# KiCad board PingDevKit-copy.kicad_pcb (continued)
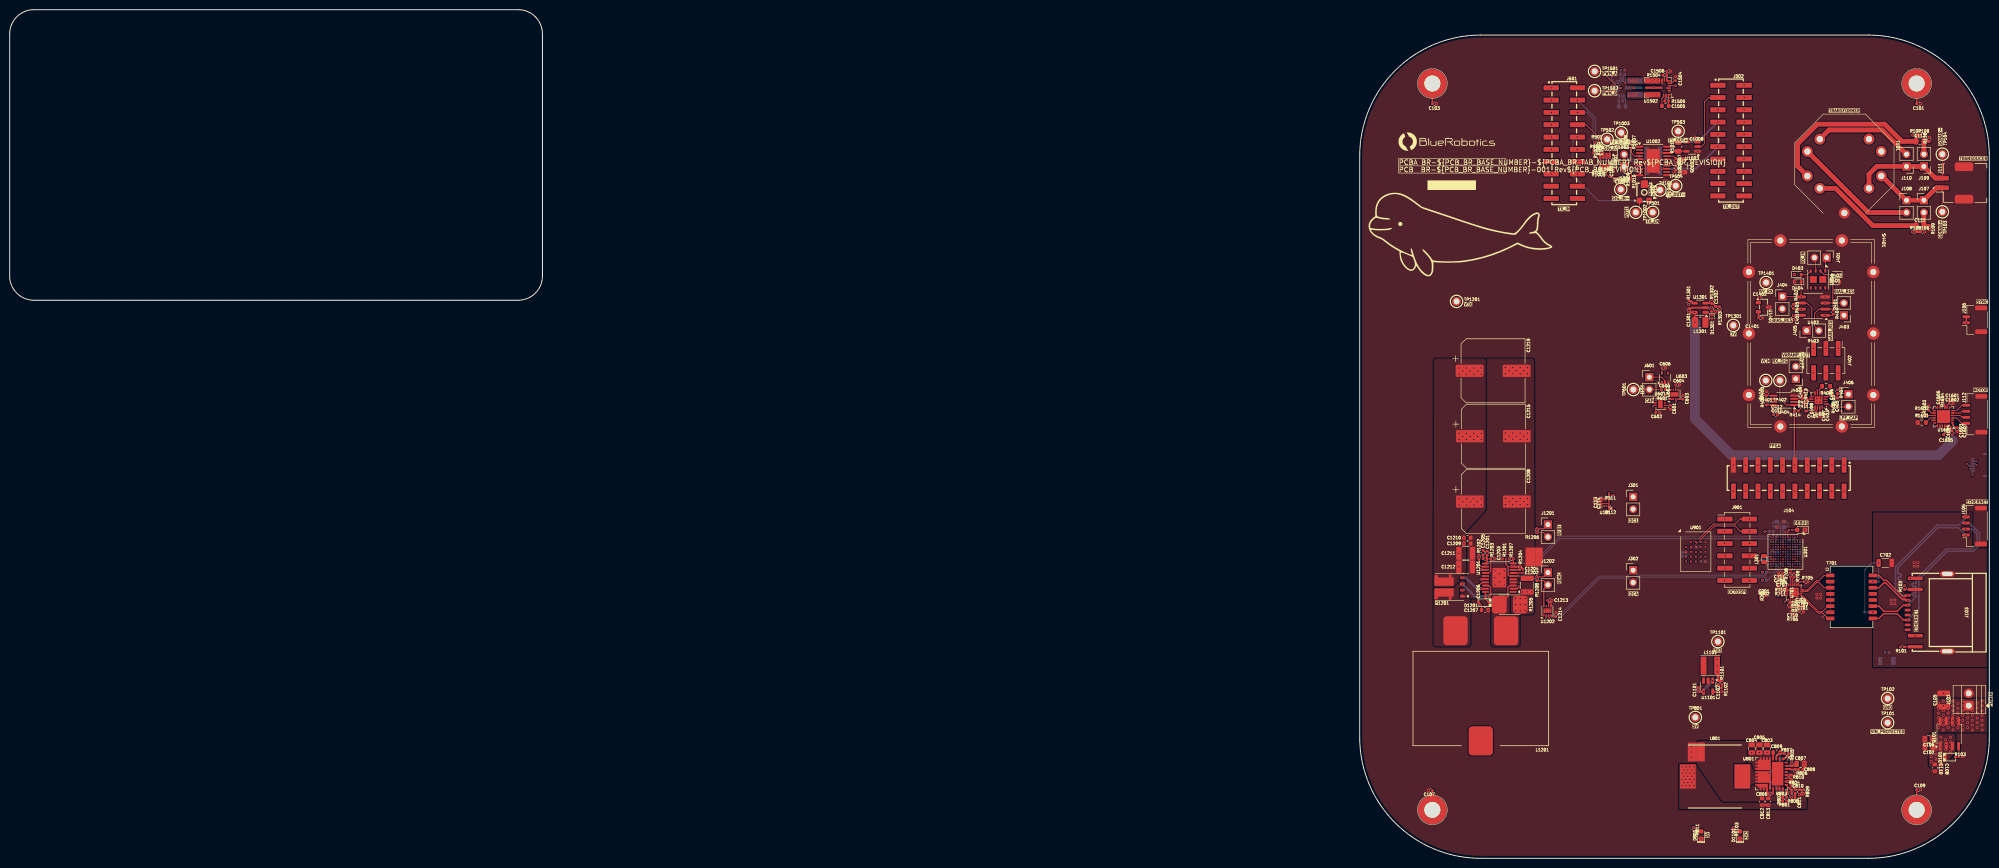
[diagram p0: board, top side]
## Library data of the parts (continued)
R1204 = -: Datasheet: https://www.yageo.com/upload/media/product/productsearch/datasheet/rchip/PYu-RC_Group_51_RoHS_L_12.pdf; Description: 75k 1% 100ppm 62.5mW Thick Film Resistor 0402; Manufacturer: YAGEO; Manufacturer Part Num: RC0402FR-0775KL; Supplier 1: DigiKey; Supplier Part Num 1: 311-75KLRCT-ND; Supplier 2: DigiKey; Supplier Part Num 2: 311-75KLRTR-ND; Supplier 3: JLCPCB; Supplier Part Num 3: C137935; BRE Number: BRE-000370; JLCPCB Part Num: C137935; ki_fp_filters: R_*
R1205 = -: Datasheet: https://www.yageo.com/upload/media/product/app/datasheet/rchip/pyu-pa_e_51_rohs.pdf; Description: 3mR 1% 50ppm 2W Resistor 2512; Manufacturer: YAGEO; Manufacturer Part Num: PA2512FKE7W0R003E; Supplier 1: DigiKey; Supplier Part Num 1: 13-PE0805FRE470R009ZCT-ND; Supplier 2: Mouser; Supplier Part Num 2: 603-P0805FRE470R009Z; Supplier 3: JLCPCB; Supplier Part Num 3: C6142798; BRE Number: BRE-001276; JLCPCB Part Num: C728307; ki_fp_filters: R_*
R1206 = -: Datasheet: https://www.yageo.com/upload/media/product/productsearch/datasheet/rchip/PYu-RC_Group_51_RoHS_L_12.pdf; Description: 137k 1% 100ppm 62.5mW Thick Film Resistor 0402; Manufacturer: YAGEO; Manufacturer Part Num: RC0402FR-07137KL; BRE Number: BRE-000302; Supplier 1: DigiKey; Supplier Part Num 1: YAG2972CT-ND; Supplier 2: DigiKey; Supplier Part Num 2: YAG2972TR-ND; Supplier 3: JLCPCB; Supplier Part Num 3: C138058; JLCPCB Part Num: C138058; ki_fp_filters: R_*
R1302 = -: Datasheet: https://lcsc.com/datasheet/lcsc_datasheet_2506161046_YAGEO-RC0402FR-0713K3L_C274352.pdf; Description: 13.3k 1% 100ppm 62.5mW Thick Film Resistor 0402; Manufacturer: YAGEO; Manufacturer Part Num: RC0402FR-0713K3L; BRE Number: BRE-001235; JLCPCB Part Num: C274352; ki_fp_filters: R_*
R1303 = -: Datasheet: https://www.yageo.com/upload/media/product/productsearch/datasheet/rchip/PYu-RC_Group_51_RoHS_L_12.pdf; Description: 62k 1% 100ppm 62.5mW Thick Film Resistor 0402; Manufacturer: YAGEO; Manufacturer Part Num: RC0402FR-0762KL; BRE Number: BRE-000361; Supplier 1: DigiKey; Supplier Part Num 1: 311-62.0KLRCT-ND; Supplier 2: DigiKey; Supplier Part Num 2: 311-62.0KLRTR-ND; Supplier 3: JLCPCB; Supplier Part Num 3: C137950; JLCPCB Part Num: C137950; ki_fp_filters: R_*
R1601 R1602 = -: Datasheet: https://www.koaspeer.com/pdfs/TLRZ.pdf; Description: 0 Ohms Jumper Chip Resistor 0603 (1608 Metric) Automotive AEC-Q200, Current Sense Metal Element; Manufacturer: KOA Speer Electronics, Inc.; Manufacturer Part Num: TLRZ1JTTD; BRE Number: BRE-001148; Package: 0603; Supplier 1: JLCPCB; Supplier Part Num 1: C782253; Supplier 2: DigiKey; Supplier Part Num 2: 2019-TLRZ1JTTDTR-ND; JLCPCB Part Num: C782253
R1603 = -: Datasheet: https://www.yageo.com/upload/media/product/products/datasheet/rchip/PYu-RC_Group_51_RoHS_L_12.pdf; Description: 330k 1% 100ppm 62.5mW Thick Film Resistor 0402; Manufacturer: YAGEO; Manufacturer Part Num: RC0402FR-07330KL; BRE Number: BRE-001286; Supplier 1: DigiKey; Supplier Part Num 1: 311-330KLRCT-ND; Supplier 2: Mouser; Supplier Part Num 2: 603-RC0402FR-07330KL; Supplier 3: JLCPCB; Supplier Part Num 3: C138006; JLCPCB Part Num: C138006; ki_fp_filters: R_*
SH401 = -: Datasheet: https://www.leadertechinc.com/assets/files/catalogs/cbs.pdf; Description: RF Shield Shield, 2-Piece 1.000" (25.40mm) X 1.500" (38.10mm) Non-Vented Through Hole; Manufacturer: Leader Tech Inc.; BRE Number: BRE-001302
T101 = -: Datasheet: https://www.tdk-electronics.tdk.com/inf/80/db/fer/p_18_11.pdf; Description: Pot Core Transformer Mounting Assembly 18mmx11mm; Manufacturer: EPCOS - TDK Electronics; Manufacturer Part Num: B65655B0010X000; BRE Number: BRE-001219; Supplier 1: DigiKey; Supplier Part Num 1: 495-5153-ND; Supplier 2: Mouser; Supplier Part Num 2: 871-B65655B0010X000; Supplier 3: JLCPCB
T701 = -: Datasheet: https://www.lcsc.com/datasheet/lcsc_datasheet_2411121026_HANRUN-Zhongshan-HanRun-Elec-HR641680E_C189555.pdf; Description: 10/100Base-T Single Port Transformer Magnetics Module; Supplier 3: JLCPCB; Supplier Part Num 3: C189555; Manufacturer: HanRun; BRE Number: BRE-000237
TH101 = -: Datasheet: https://www.murata.com/~/media/webrenewal/support/library/catalog/products/thermistor/r01e.ashx; Description: 10k 1% 3380k NTC Thermistor 0201; Manufacturer: Murata Electronics; Manufacturer Part Num: NCP03XH103F05RL; Supplier 1: Digikey; Supplier Part Num 1: 490-11806-2-ND; Supplier 2: Mouser; Supplier Part Num 2: 81-NCP03XH103F05RL; Supplier 3: JLCPCB; Supplier Part Num 3: C98098; BRE Number: BRE-000391; ki_fp_filters: *NTC* *Thermistor* PIN?ARRAY* bornier* *Terminal?Block* R_*
TP101-TP104 TP401 TP402 TP601 TP801 TP1003 TP1004 TP1101 TP1201 TP1301 TP1401 TP1501 TP1502 = -: Datasheet: https://wmsc.lcsc.com/wmsc/upload/file/pdf/v2/lcsc/2307040929_ronghe-RH-5000_C5277086.pdf; Description: Ring Test Point for Probe(s) PTH; Manufacturer: ronghe; Manufacturer Part Num: RH-5000; BRE Number: BRE-000074; Supplier 1: DigiKey; Supplier 2: Mouser; Supplier 3: JLCPCB; Supplier Part Num 3: C5277086; Label: LABEL; JLCPCB Part Num: C5277086; ki_fp_filters: *NTC* *Thermistor* PIN?ARRAY* bornier* *Terminal?Block* R_*
TP301-TP327 TP329-TP365 = -: Description: test pad surface mount; ki_fp_filters: *NTC* *Thermistor* PIN?ARRAY* bornier* *Terminal?Block* R_*
TP328 = -: Description: test pad surface mount; MPN: DNI; ki_fp_filters: *NTC* *Thermistor* PIN?ARRAY* bornier* *Terminal?Block* R_*
TP501-TP504 TP1001 TP1002 = -: Datasheet: https://wmsc.lcsc.com/wmsc/upload/file/pdf/v2/lcsc/2307040929_ronghe-RH-5000_C5277086.pdf; Description: Ring Test Point for Probe(s) PTH; Manufacturer: ronghe; Manufacturer Part Num: RH-5000; Supplier 1: DigiKey; Supplier 2: Mouser; BRE Number: BRE-000074; Supplier 3: JLCPCB; Supplier Part Num 3: C5277086; Label: LABEL; JLCPCB Part Num: C5277086; ki_fp_filters: *NTC* *Thermistor* PIN?ARRAY* bornier* *Terminal?Block* R_*
U101 = -: Datasheet: https://www.st.com/content/ccc/resource/technical/document/datasheet/12/c0/5c/36/b9/58/46/f2/DM00091513.pdf/files/DM00091513.pdf/jcr:content/translations/en.DM00091513.pdf; Description: Accelerometer X, Y, Z Axis ±2g, 4g, 8g, 16g 0.5Hz ~ 672Hz 12-LGA (2x2); Manufacturer: STMicroelectronics; Supplier 1: DigiKey; Supplier Part Num 1: 497-14851-1-ND; Supplier 2: Mouser; Supplier Part Num 2: 511-LIS2DH12TR; Supplier 3: JLCPCB; Supplier Part Num 3: C110926; BRE Number: BRE-000388
U301 = -: Datasheet: https://www.st.com/resource/en/datasheet/stm32h563ai.pdf; Description: ARM® Cortex®-M33 STM32H5 Microcontroller IC 32-Bit 250MHz 2MB (2M x 8) FLASH 169-UFBGA (7x7) WITH STEPDOWN SMPS, high temp: -40~125C; Manufacturer: STMicroelectronics; BRE Number: BRE-001075; JLCPCB Part Num: C28992049; ki_fp_filters: *UFBGA*7x7mm*Layout13x13*P0.5mm*
U401 = -: Datasheet: https://ww1.microchip.com/downloads/en/DeviceDoc/MD0100-Single-and-Dual-Channel%20High-Voltage-Protection-TR-Switch-Data-Sheet-20005738A.pdf; Description: Dual Channel High-Voltage Protection T/R Switch; Manufacturer: Microchip; BRE Number: BRE-001224; ki_fp_filters: SOIC*3.9x4.9mm*P1.27mm*
U402 = -: Datasheet: https://www.ti.com/general/docs/suppproductinfo.tsp?distId=10&gotoUrl=https%3A%2F%2Fwww.ti.com%2Flit%2Fgpn%2Fopa1611; Description: Dual Channel Low-noise SOIC-8 Audio Amplifier; Manufacturer: Texas Instruments; BRE Number: BRE-001220; JLCPCB Part Num: C94590
U403 = -: Datasheet: https://www.analog.com/media/en/technical-documentation/data-sheets/ad8338.pdf; Description: 18 MHz Variable Gain Amplifier; Manufacturer: Analog Devices; BRE Number: BRE-001210; JLCPCB Part Num: C578701
U404 = -: Datasheet: https://jlcpcb.com/api/file/downloadByFileSystemAccessId/8588917789042626560; Description: Dual Operational Amplifier MSOP-8 Low Vos ROHS; Manufacturer: WILLSEMI(Will Semicon); BRE Number: BRE-001218; JLCPCB Part Num: C717866
U601 U602 U1202 = -: Datasheet: https://www.ti.com/lit/ds/symlink/dac53401.pdf?HQS=dis-dk-null-digikeymode-dsf-pf-null-wwe&ts=1751654153747&ref_url=https%253A%252F%252Fmatomo.sctykj.boats%252F; Description: 10 Bit Digital to Analog Converter, I2C Interface, 8-WSON (2x2); Manufacturer: Texas Instruments; BRE Number: BRE-001241; LCSC Part: C1855756; JLCPCB Part Num: C1855756
U603 = -: Datasheet: https://assets.nexperia.com/documents/data-sheet/74LVC1G66.pdf; Description: Analog Switch IC, 1 Circuit IC Switch 1:1, 10Ohm, 5-TSSOP; Manufacturer: Nexperia USA Inc.; BRE Number: BRE-001264; LCSC Part: C548020
U701 = -: Datasheet: https://www.ti.com/general/docs/suppproductinfo.tsp?distId=10&gotoUrl=https%3A%2F%2Fwww.ti.com%2Flit%2Fgpn%2Fdp83825I; Description: Ethernet Interface 10/100Mbps PHY 32-VQFN (5x5); Manufacturer: Texas Instruments; BRE Number: BRE-000162; Supplier 1: DigiKey; Supplier Part Num 1: 296-DP83825IRMQRCT-ND; Supplier 2: Mouser; Supplier Part Num 2: 595-DP83825IRMQR; Supplier 3: JLCPCB; Supplier Part Num 3: C783599; ki_fp_filters: WSON*1EP*2x2mm*P0.5mm*
U801 = -: Datasheet: https://ww1.microchip.com/downloads/aemDocuments/documents/APID/ProductDocuments/DataSheets/MIC28517-Data-Sheet-DS20006317C.pdf; Description: Buck Switching Regulator, Adjustable, 8A, 600mV~32V, 4.5V~70V, VQFN-32(6x6); Manufacturer: Microchip Technology; BRE Number: BRE-001217; Supplier 1: DigiKey; Supplier Part Num 1: 150-MIC28517T-E/PHACT-ND; Supplier 2: Mouser; Supplier Part Num 2: 579-MIC28517T-E/PHA; Supplier 3: JLCPCB; Supplier Part Num 3: C623943; JLCPCB Part Num: C623943
U901 = -: Datasheet: https://www.infineon.com/assets/row/public/documents/10/49/infineon-s27kl0642-s27ks0642-3.0-v-1.8-v-64-mb-8-mb-hyperram-self-refresh-dram-datasheet-en.pdf?fileId=8ac78c8c7d0d8da4017d0ee8a1c47164; Description: PSRAM (Pseudo SRAM) Memory IC 64Mbit HyperBus 166 MHz 36 ns 24-FBGA (6x8); Manufacturer: Infineon Technologies; BRE Number: BRE-001273; LCSC Part: C5157921; JLCPCB Part Num: C5157921
U1001 = -: Datasheet: https://lcsc.com/datasheet/lcsc_datasheet_2402170845_Slkor-SLKORMICRO-Elec--SL9062D_C18208632.pdf; Description: Dual General Purpose Amplifier RRIO 25MHz 1.5-5.5V SOT-23-8L; Manufacturer: Slkor; BRE Number: BRE-001253; JLCPCB Part Num: C18208632
U1002 = -: Datasheet: https://www.analog.com/media/en/technical-documentation/data-sheets/1794fs.pdf; Description: 2 Channel Line Driver 40V 500mA 500V/us 200MHz Class AB Output TSSOP-20; Manufacturer: Analog Devices; Manufacturer Part Num: LT1794CFE#PBF; BRE Number: BRE-001244; JLCPCB Part Num: C665306
U1003 = -: Datasheet: https://www.lcsc.com/datasheet/lcsc_datasheet_2403271159_analogysemi-CSA230PASOT235_C6807602.pdf; Description: 0V-76V Single channel SOT-23-5 Current Sense Amplifier; BRE Number: BRE-001043; LCSC Part: C6807602; JLCPCB Part Num: C6807602
U1101 = -: Datasheet: https://www.ti.com/general/docs/suppproductinfo.tsp?distId=10&gotoUrl=https%3A%2F%2Fwww.ti.com%2Flit%2Fgpn%2Ftlv62569; Description: Buck Converter, 2.5 - 5.5V Input, 2A, 0.6 - 5.5V Output, 1.5MHz, SOT23-5 (2.9x2.8); Manufacturer: Texas Instruments; Supplier 1: DigiKey; Supplier Part Num 1: 296-47360-1-ND; Supplier 2: Mouser; Supplier Part Num 2: 595-TLV62569DBVR; Supplier 3: JLCPCB; Supplier Part Num 3: C141836; BRE Number: BRE-000206
U1201 = -: Datasheet: https://www.ti.com/lit/ds/symlink/lm5122.pdf?ts=1718038011900&ref_url=https%253A%252F%252Fwww.ti.com%252Fproduct%252FLM5122%253Futm_source%253Dgoogle%2526utm_medium%253Dcpc%2526utm_campaign%253Dapp-null-null-gpn_en-cpc-pf-google-wwe%2526utm_content%253Dlm5122%2526ds_k%253DLM5122%2526dcm%253Dyes%2526gad_source%253D1%2526gclid%253DCjwKCAjwyJqzBhBaEiwAWDRJVOtndkS0MouiylCoqg9MIo-BblLh-eis6aTW-nLVFYVf71dm99ruNhoCbmQQAvD_BwE%2526gclsrc%253Daw.ds; Description: Boost Controller, 3 - 65V Input, 1Mhz, HTSSOP-20 (6.9x6.4); Manufacturer: Texas Instruments; Supplier 1: DigiKey; Supplier Part Num 1: 296-43644-1-ND; Supplier 2: Mouser; Supplier Part Num 2: 595-LM5122MHX/NOPB; Supplier 3: JLCPCB; Supplier Part Num 3: C77241; BRE Number: BRE-000192
U1301 = -: Datasheet: https://www.ti.com/general/docs/suppproductinfo.tsp?distId=10&gotoUrl=https%3A%2F%2Fwww.ti.com%2Flit%2Fgpn%2Flm27313; Description: Boost Converter, 2.7 - 14V Input, 800mA, 2.7 - 30V Output, 1.6Mhz, SOT23-5 (2.9x1.6); Manufacturer: Texas Instruments; BRE Number: BRE-000190; Supplier 1: DigiKey; Supplier Part Num 1: 296-35164-1-ND; Supplier 2: Mouser; Supplier Part Num 2: 926-LM27313XMFX/NOPB; Supplier 3: JLCPCB; Supplier Part Num 3: C341750; JLCPCB Part Num: C341750
U1401 = -: Datasheet: https://lcsc.com/datasheet/lcsc_datasheet_2501211108_Megain-MG78L05T3_C22396244.pdf; Description: Linear Regulator, 7 - 30V Input, 170mA, 5V Output, SOT23-3; Manufacturer: Megain; BRE Number: BRE-001237; JLCPCB Part Num: C22396244
U1501 U1502 = -: Datasheet: https://epc-co.com/epc/Portals/0/epc/documents/datasheets/EPC23104_datasheet.pdf; Description: Half Bridge Driver DC Motors, DC-DC Converters Gallium Nitride (GaN) FETs 13-WQFN-HR (3.5x5); Manufacturer: EPC; BRE Number: BRE-001274; LCSC Part: C5448592; JLCPCB Part Num: C5448592
U1601 = -: Datasheet: https://www.ti.com/lit/ds/symlink/drv8426.pdf?HQS=dis-dk-null-digikeymode-dsf-pf-null-wwe&ts=1755707861730; Description: Bipolar Motor Driver Power MOSFET Step/Direction 24-VQFN (4x4); Manufacturer: Texas Instruments; BRE Number: BRE-001284; Supplier 1: Digikey; Supplier Part Num 1: 296-DRV8426RGERCT-ND; Supplier 2: Mouser; Supplier Part Num 2: 595-DRV8426RGER; Supplier 3: JLCPCB; Supplier Part Num 3: C1518727; JLCPCB Part Num: C1518727
X301 = -: Datasheet: https://wmsc.lcsc.com/wmsc/upload/file/pdf/v2/lcsc/2010091907_NDK-NX2016SA-25MHZ-STD-CZS-2_C843258.pdf; Description: 25 MHz Crystal 8pF ±25ppm 4-SMD2016 (2x1.6); Supplier 3: JLCPCB; Manufacturer Part Num: NX2016SA-25MHZ-STD-CZS-2; Supplier Part Num 3: C843258; Manufacturer: NDK; Supplier 1: Digikey; Supplier 2: Mouser; BRE Number: BRE-000257; ki_fp_filters: Crystal*

## Footprints (pads in the part's own frame, mm; a bottom-side part is the same pattern mirrored in y, then rotated)
44-CBSA-1.0X1.5X0.4
  round 2.54 hole 1.27: 1(0,-6.502) 1(0,-19.202) 1(6.502,0) 1(6.502,-25.705) 1(19.202,0) 1(19.202,-25.705) 1(31.902,0) 1(31.902,-25.705) 1(38.405,-6.502) 1(38.405,-19.202)
B65655B0010X000
  round 2.25 hole 1.3: 1(5.08,-5.08) 2(2.54,-7.62) 3(-2.54,-7.62) 4(-5.08,-5.08) 5(-5.08,5.08) 6(-2.54,7.62) 7(2.54,7.62) 8(5.08,5.08) 9(10.16,0)
BGA-24_6x8mm_Layout5x5_P1.0mm
  round 0.4 smd: A2(-1,2) A3(0,2) A4(1,2) A5(2,2) B1(-2,1) B2(-1,1) B3(0,1) B4(1,1) B5(2,1) C1(-2,0) C2(-1,0) C3(0,0) C4(1,0) C5(2,0) D1(-2,-1) D2(-1,-1) D3(0,-1) D4(1,-1) D5(2,-1) E1(-2,-2) E2(-1,-2) E3(0,-2) E4(1,-2) E5(2,-2)
C_0201_0603Metric-minimized
  rrect 0.385x0.3 smd: 1(-0.282,0) 2(0.282,0)
C_0402_1005Metric
  rrect 0.56x0.62 smd: 1(-0.48,0) 2(0.48,0)
C_0402_1005Metric-minimized
  rrect 0.55x0.55 smd: 1(-0.4,0) 2(0.4,0)
C_0603_1608Metric-minimized
  rrect 0.75x0.9 smd: 1(-0.7,0) 2(0.7,0)
C_0805_2012Metric-minimized
  rrect 0.95x1.35 smd: 1(-0.8,0) 2(0.8,0)
C_1206_3216Metric-minimized
  rrect 0.9x1.7 smd: 1(-1.35,0) 2(1.35,0)
C_1210_3225Metric
  rrect 1.1x2.7 smd: 1(-1.4,0) 2(1.4,0)
C_1210_3225Metric-minimized
  rrect 0.9x2.7 smd: 1(-1.35,0) 2(1.35,0)
C_Elec_12.5x12.5
  rrect 5.7x2.5 smd: 1(-4.85,0) 2(4.85,0)
Crystal_SMD_2016-4Pin_2.0x1.6mm
  rect 0.9x0.8 smd: 1(-0.7,-0.55) 2(0.7,-0.55) 3(0.7,0.55) 4(-0.7,0.55)
D_SOD-323
  rrect 0.6x0.45 smd: 1(-1.05,0) 2(1.05,0)
D_SOD-523
  rrect 0.6x0.7 smd: 1(-0.7,0) 2(0.7,0)
D_SOD-993-minimized
  rrect 0.35x0.6 smd: 1(-0.325,0) 2(0.325,0)
DFN-8-1EP_4x4mm_P1.0mm_EP1.45x3.4mm
  rect 1.3x1.3 smd: (0,1) (0,-1)
  rect 0.7x0.4 smd: 1(-1.75,1.5) 2(-1.75,0.5) 3(-1.75,-0.5) 4(-1.75,-1.5) 5(1.75,-1.5) 6(1.75,-0.5) 7(1.75,0.5) 8(1.75,1.5)
  rect 1.45x1.45 smd: 9(0,0.975) 10(0,-0.975)
EPC23104
  rrect 0.75x0.3 smd: 1(-2.325,0.578) 2(-2.325,0.078) 3(-2.325,-0.422) 4(-2.325,-0.922)
  rrect 1.025x0.3 smd: 5(-2.188,-1.422)
  rrect 0.3x0.675 smd: 5(-1.825,-1.609) 13(-2.175,1.615)
  rrect 0.3x0.75 smd: 6(-1.325,-1.572) 7(-0.825,-1.572) 11(-1.175,1.578) 12(-1.675,1.578)
  rrect 3.2x1.05 smd: 8(1.1,-1.428) 10(1.1,1.428)
  rrect 3.675x0.48 smd: 9(0.863,0)
  rrect 0.675x0.3 smd: 13(-2.362,1.428)
FC-SE2918-100M-28A
  rrect 5x6 smd: 1(-5.23,-14) 2(5.215,-14) 3(0,8.75)
H1102FNL
  rect 0.76x1.7 smd: 1(-4.445,-4.4) 2(-3.175,-4.4) 3(-1.905,-4.4) 4(-0.635,-4.4) 5(0.635,-4.4) 6(1.905,-4.4) 7(3.175,-4.4) 8(4.445,-4.4) 9(4.445,4.4) 10(3.175,4.4) 11(1.905,4.4) 12(0.635,4.4) 13(-0.635,4.4) 14(-1.905,4.4) 15(-3.175,4.4) 16(-4.445,4.4)
HDR-SMD_20P-P2.54-V-M-R2-C10-S7.5
  rect 1.02x3.17 smd: 1(-11.43,-2.71) 2(-11.43,2.71) 3(-8.89,-2.71) 4(-8.89,2.71) 5(-6.35,-2.71) 6(-6.35,2.71) 7(-3.81,-2.71) 8(-3.81,2.71) 9(-1.27,-2.71) 10(-1.27,2.71) 11(1.27,-2.71) 12(1.27,2.71) 13(3.81,-2.71) 14(3.81,2.71) 15(6.35,-2.71) 16(6.35,2.71) 17(8.89,-2.71) 18(8.89,2.71) 19(11.43,-2.71) 20(11.43,2.71)
HTSSOP-20-1EP_4.4x6.5mm_P0.65mm_EP2.85x4mm
  rrect 2.3x1.61 smd: (0,1) (0,-1)
  rrect 1.475x0.4 smd: 1(-2.862,2.925) 2(-2.862,2.275) 3(-2.862,1.625) 4(-2.862,0.975) 5(-2.862,0.325) 6(-2.862,-0.325) 7(-2.862,-0.975) 8(-2.862,-1.625) 9(-2.862,-2.275) 10(-2.862,-2.925) 11(2.862,-2.925) 12(2.862,-2.275) 13(2.862,-1.625) 14(2.862,-0.975) 15(2.862,-0.325) 16(2.862,0.325) 17(2.862,0.975) 18(2.862,1.625) 19(2.862,2.275) 20(2.862,2.925)
  rect 2.85x4 smd: 21(0,0)
KF128-2.54-2P
  rrect 2x2 hole 1.2: 1(0,0)
  round 2 hole 1.2: 2(2.54,0)
L_1008_2520Metric
  rrect 1.25x2.2 smd: 1(-1.075,0) 2(1.075,0)
L_Taiyo-Yuden_NR-4018
  rect 1.2x3.7 smd: 1(-1.4,0) 2(1.4,0)
LED_0603_1608Metric
  rrect 0.875x0.95 smd: 1(-0.787,0) 2(0.787,0)
LFCSP-16-1EP_3x3mm_P0.5mm_EP1.6x1.6mm
  rrect 0.64x0.64 smd: (-0.4,0.4) (-0.4,-0.4) (0.4,0.4) (0.4,-0.4)
  rrect 0.875x0.25 smd: 1(-1.438,0.75) 2(-1.438,0.25) 3(-1.438,-0.25) 4(-1.438,-0.75) 9(1.438,-0.75) 10(1.438,-0.25) 11(1.438,0.25) 12(1.438,0.75)
  rrect 0.25x0.875 smd: 5(-0.75,-1.438) 6(-0.25,-1.438) 7(0.25,-1.438) 8(0.75,-1.438) 13(0.75,1.438) 14(0.25,1.438) 15(-0.25,1.438) 16(-0.75,1.438)
  rect 1.6x1.6 smd: 17(0,0)
LGA-12_2x2mm_P1mm
  rect 0.375x0.35 smd: 1(-0.762,0.75) 2(-0.762,0.25) 3(-0.762,-0.25) 4(-0.762,-0.75) 7(0.762,-0.75) 8(0.762,-0.25) 9(0.762,0.25) 10(0.762,0.75)
  rect 0.35x0.375 smd: 5(-0.25,-0.762) 6(0.25,-0.762) 11(0.25,0.762) 12(-0.25,0.762)
LMSC20120652R2MTA
  rrect 0.8x1.2 smd: 1(-0.65,0) 2(0.65,0)
M3_Clearance_Plated_6mm
  round 6 hole 3.3: 1(0,0)
MSOP-8_3x3mm_P0.65mm
  rrect 1.625x0.4 smd: 1(-2.112,0.975) 2(-2.112,0.325) 3(-2.112,-0.325) 4(-2.112,-0.975) 5(2.112,-0.975) 6(2.112,-0.325) 7(2.112,0.325) 8(2.112,0.975)
NetTie-2_SMD_Pad_0.18mm_wide
  rect 0.1x0.18 smd: 1(-0.1,0) 2(0.1,0)
NetTie-2_SMD_Pad_0.18mm_wide_long
  rect 0.1x0.18 smd: 1(-0.15,0) 2(0.15,0)
NetTie-2_SMD_Pad_3.88mm_wide
  rect 3.88x1.524 smd: 1(0,0) 2(0,-2)
PinHeader_1x02_P2.54mm_Vertical
  rect 1.7x1.7 hole 1: 1(0,0)
  round 1.7 hole 1: 2(0,-2.54)
PinHeader_2x03_P2.54mm_Vertical_SMD
  rect 3.15x1 smd: 1(-2.525,2.54) 2(2.525,2.54) 3(-2.525,0) 4(2.525,0) 5(-2.525,-2.54) 6(2.525,-2.54)
PinHeader_2x06_P2.54mm_Vertical_SMD
  rect 3.15x1 smd: 1(-2.525,6.35) 2(2.525,6.35) 3(-2.525,3.81) 4(2.525,3.81) 5(-2.525,1.27) 6(2.525,1.27) 7(-2.525,-1.27) 8(2.525,-1.27) 9(-2.525,-3.81) 10(2.525,-3.81) 11(-2.525,-6.35) 12(2.525,-6.35)
PowerPAK_SO-8_Dual
  rect 1x0.5 smd: 1(-2.67,1.905) 2(-2.67,0.635) 3(-2.67,-0.635) 4(-2.67,-1.905)
  rect 0.6x0.7 smd: 5(-0.15,2.27) 6(-0.15,-2.27)
  rect 3.99x1.73 smd: 5(1.125,1.115) 6(1.125,-1.115)
  rect 0.75x0.6 smd: 5(2.745,2.215) 6(2.745,-2.21)
QFN-32_x6mm_P0.65mm
  rrect 0.75x0.95 smd: (-2.265,-0.905) (-2.265,-2.085) (-1.285,-0.905) (-1.285,-2.085)
  rrect 0.95x0.95 smd: (-1.77,1.845) (-1.77,0.665) (-0.59,1.845) (-0.59,0.665) (0.105,-0.905) (0.105,-2.085) (0.59,1.845) (0.59,0.665) (1.285,-0.905) (1.285,-2.085) (1.77,1.845) (1.77,0.665)
  rrect 0.5x0.75 smd: (2.47,-1.33) (2.47,-2.31)
  rrect 0.75x0.35 smd: 1(-3.05,2.275) 2(-3.05,1.625) 3(-3.05,0.975) 4(-3.05,0.325) 5(-3.05,-0.325) 6(-3.05,-0.975) 7(-3.05,-1.625) 8(-3.05,-2.275) 17(3.05,-2.275) 18(3.05,-1.625) 19(3.05,-0.975) 20(3.05,-0.325) 21(3.05,0.325) 22(3.05,0.975) 23(3.05,1.625) 24(3.05,2.275)
  rect 2.13x2.69 smd: 5(-1.775,-1.495)
  rrect 0.35x0.75 smd: 9(-2.275,-3.05) 10(-1.625,-3.05) 11(-0.975,-3.05) 12(-0.325,-3.05) 13(0.325,-3.05) 14(0.975,-3.05) 15(1.625,-3.05) 16(2.275,-3.05) 25(2.275,3.05) 26(1.625,3.05) 27(0.975,3.05) 28(0.325,3.05) 29(-0.325,3.05) 30(-0.975,3.05) 31(-1.625,3.05) 32(-2.275,3.05)
  rect 2.39x2.69 smd: 12(0.695,-1.495)
  rect 0.74x2.04 smd: 16(2.47,-1.82)
  rect 4.85x2.36 smd: 33(0,1.24)
R_0201_0603Metric-minimized
  rrect 0.385x0.3 smd: 1(-0.282,0) 2(0.282,0)
R_0402_1005Metric-minimized
  rrect 0.55x0.55 smd: 1(-0.4,0) 2(0.4,0)
R_0603_1608Metric
  rrect 0.8x0.95 smd: 1(-0.825,0) 2(0.825,0)
R_0805_2012Metric
  rrect 1.025x1.4 smd: 1(-0.912,0) 2(0.912,0)
R_2512_6332Metric
  rrect 3.05x3.68 smd: 1(-2.16,0) 2(2.16,0)
RES-ADJ-SMD_3P-L3.8-W3.7_VGF39NCHXT
  rect 1.2x1.2 smd: 1(1.68,-1) 3(1.68,1)
  rect 1.6x1.5 smd: 2(-1.68,0.01)
RJ45-TH_RC01812
  rect 0.55x1.2 smd: 1(-3.57,-4.1) 2(-2.55,-4.1) 3(-1.53,-4.1) 4(-0.51,-4.1) 5(0.51,-4.1) 6(1.53,-4.1) 7(2.55,-4.1) 8(3.57,-4.1)
  rect 0.7x3.05 smd: 9(-7.06,-2.525) 10(-4.77,-2.525) 11(4.77,-2.525) 12(7.06,-2.525)
  oval 1.2x3 hole 0.8x2.2: MP1(-8,4.1) MP2(8,4.1)
SM02B-GHS-TB
  rrect 0.6x1.6 smd: 1(-0.625,2.25) 2(0.625,2.25)
  rrect 0.95x2.5 smd: MP(-2.45,-0.825) MP(2.45,-0.825)
SM02B-PASS-TBT
  rrect 1x2.7 smd: 1(-1,4.7) 2(1,4.7)
  rrect 1.8x3.8 smd: MP1(-3.35,0.25) MP2(3.35,0.25)
SM04B-GHS-TB
  rrect 0.6x1.6 smd: 1(-1.875,2.25) 2(-0.625,2.25) 3(0.625,2.25) 4(1.875,2.25)
  rrect 0.95x2.45 smd: MP(-3.7,-0.85) MP(3.7,-0.85)
SO-8_3.9x4.9mm_P1.27mm
  rrect 1.75x0.6 smd: 1(-2.575,1.905) 1(-2.575,0.635) 1(-2.575,-0.635) 2(-2.575,-1.905) 3(2.575,1.905) 3(2.575,0.635) 3(2.575,-0.635) 3(2.575,-1.905)
SOIC-8_3.9x4.9mm_P1.27mm
  rrect 1.95x0.6 smd: 1(-2.475,1.905) 2(-2.475,0.635) 3(-2.475,-0.635) 4(-2.475,-1.905) 5(2.475,-1.905) 6(2.475,-0.635) 7(2.475,0.635) 8(2.475,1.905)
SOT-23
  rrect 0.7x1.1 smd: 1(-0.95,-1.1) 2(0.95,-1.1) 3(0,1.1)
SOT-23-5
  rrect 1.325x0.6 smd: 1(-1.137,0.95) 2(-1.137,0) 3(-1.137,-0.95) 4(1.137,-0.95) 5(1.137,0.95)
SOT-23-5_mini
  rrect 1.325x0.6 smd: 1(-1.137,0.95) 2(-1.137,0) 3(-1.137,-0.95) 4(1.137,-0.95) 5(1.137,0.95)
SOT-23-8
  rrect 1.325x0.5 smd: 1(-1.137,0.975) 2(-1.137,0.325) 3(-1.137,-0.325) 4(-1.137,-0.975) 5(1.137,-0.975) 6(1.137,-0.325) 7(1.137,0.325) 8(1.137,0.975)
SOT-353_SC-70-5
  rrect 0.65x0.4 smd: 1(-0.95,0.65) 2(-0.95,0) 3(-0.95,-0.65) 4(0.95,-0.65) 5(0.95,0.65)
TE_2328702-6_1x06-1MP_P0.5mm_Horizontal
  rrect 0.3x0.8 smd: 1(-1.25,1.5) 2(-0.75,1.5) 3(-0.25,1.5) 4(0.25,1.5) 5(0.75,1.5) 6(1.25,1.5)
  rrect 0.4x0.8 smd: MP(-2.25,-1) MP(2.25,-1)
TEST-TH_BD2.54-P1.4_RED
  round 1.9 hole 1.2: 1(0,0)
TP_ROUND_SMT_300um
  round 0.3 smd: 1(0,0)
TSSOP-20_FE_6.4x6.4mm_EP4.95x2.74mm
  rect 1.473x0.356 smd: 1(-2.819,2.926) 2(-2.819,2.276) 3(-2.819,1.626) 4(-2.819,0.975) 5(-2.819,0.325) 6(-2.819,-0.325) 7(-2.819,-0.975) 8(-2.819,-1.626) 9(-2.819,-2.276) 10(-2.819,-2.926) 11(2.819,-2.926) 12(2.819,-2.276) 13(2.819,-1.626) 14(2.819,-0.975) 15(2.819,-0.325) 16(2.819,0.325) 17(2.819,0.975) 18(2.819,1.626) 19(2.819,2.276) 20(2.819,2.926)
  rect 2.7x4.9 smd: EP(0.025,0)
UFBGA-169_7x7mm_Layout13x13_P0.5mm-minimized
  round 0.25 smd: A1(-3,3) A2(-2.5,3) A3(-2,3) A4(-1.5,3) A5(-1,3) A6(-0.5,3) A7(0,3) A8(0.5,3) A9(1,3) A10(1.5,3) A11(2,3) A12(2.5,3) A13(3,3) B1(-3,2.5) B2(-2.5,2.5) B3(-2,2.5) B4(-1.5,2.5) B5(-1,2.5) B6(-0.5,2.5) B7(0,2.5) B8(0.5,2.5) B9(1,2.5) B10(1.5,2.5) B11(2,2.5) B12(2.5,2.5) B13(3,2.5) C1(-3,2) C2(-2.5,2) C3(-2,2) C4(-1.5,2) C5(-1,2) C6(-0.5,2) C7(0,2) C8(0.5,2) C9(1,2) C10(1.5,2) C11(2,2) C12(2.5,2) C13(3,2) D1(-3,1.5) D2(-2.5,1.5) D3(-2,1.5) D4(-1.5,1.5) D5(-1,1.5) D6(-0.5,1.5) D7(0,1.5) D8(0.5,1.5) D9(1,1.5) D10(1.5,1.5) D11(2,1.5) D12(2.5,1.5) D13(3,1.5) E1(-3,1) E2(-2.5,1) E3(-2,1) E4(-1.5,1) E5(-1,1) E6(-0.5,1) E7(0,1) E8(0.5,1) E9(1,1) E10(1.5,1) E11(2,1) E12(2.5,1) E13(3,1) F1(-3,0.5) F2(-2.5,0.5) F3(-2,0.5) F4(-1.5,0.5) F5(-1,0.5) F6(-0.5,0.5) F7(0,0.5) F8(0.5,0.5) F9(1,0.5) F10(1.5,0.5) F11(2,0.5) F12(2.5,0.5) F13(3,0.5) G1(-3,0) G2(-2.5,0) G3(-2,0) G4(-1.5,0) G5(-1,0) G6(-0.5,0) G7(0,0) G8(0.5,0) G9(1,0) G10(1.5,0) G11(2,0) G12(2.5,0) G13(3,0) H1(-3,-0.5) H2(-2.5,-0.5) H3(-2,-0.5) H4(-1.5,-0.5) H5(-1,-0.5) H6(-0.5,-0.5) H7(0,-0.5) H8(0.5,-0.5) H9(1,-0.5) H10(1.5,-0.5) H11(2,-0.5) H12(2.5,-0.5) H13(3,-0.5) J1(-3,-1) J2(-2.5,-1) J3(-2,-1) J4(-1.5,-1) J5(-1,-1) J6(-0.5,-1) J7(0,-1) J8(0.5,-1) J9(1,-1) J10(1.5,-1) J11(2,-1) J12(2.5,-1) J13(3,-1) K1(-3,-1.5) K2(-2.5,-1.5) K3(-2,-1.5) K4(-1.5,-1.5) K5(-1,-1.5) K6(-0.5,-1.5) K7(0,-1.5) K8(0.5,-1.5) K9(1,-1.5) K10(1.5,-1.5) K11(2,-1.5) K12(2.5,-1.5) K13(3,-1.5) L1(-3,-2) L2(-2.5,-2) L3(-2,-2) L4(-1.5,-2) L5(-1,-2) L6(-0.5,-2) L7(0,-2) L8(0.5,-2) L9(1,-2) L10(1.5,-2) L11(2,-2) L12(2.5,-2) L13(3,-2) M1(-3,-2.5) M2(-2.5,-2.5) M3(-2,-2.5) M4(-1.5,-2.5) M5(-1,-2.5) M6(-0.5,-2.5) M7(0,-2.5) M8(0.5,-2.5) M9(1,-2.5) M10(1.5,-2.5) M11(2,-2.5) M12(2.5,-2.5) M13(3,-2.5) N1(-3,-3) N2(-2.5,-3) N3(-2,-3) N4(-1.5,-3) N5(-1,-3) N6(-0.5,-3) N7(0,-3) N8(0.5,-3) N9(1,-3) N10(1.5,-3) N11(2,-3) N12(2.5,-3) N13(3,-3)
